# Altium PCB FMC_ADC_130M_16B_4CHv4.PcbDoc (part 1 of 8)
Units mm, origin at the board's own origin, x right, y up, seen from the top; angles counter-clockwise.
Board outline 76.78 x 69 mm, 8 copper layers (Top Layer, GND1, L3, GND2, L5, GND3, POWER, Bottom Layer), stack 1.329 mm thick; 397 components, 449 nets, 2112 pads, 1765 vias.
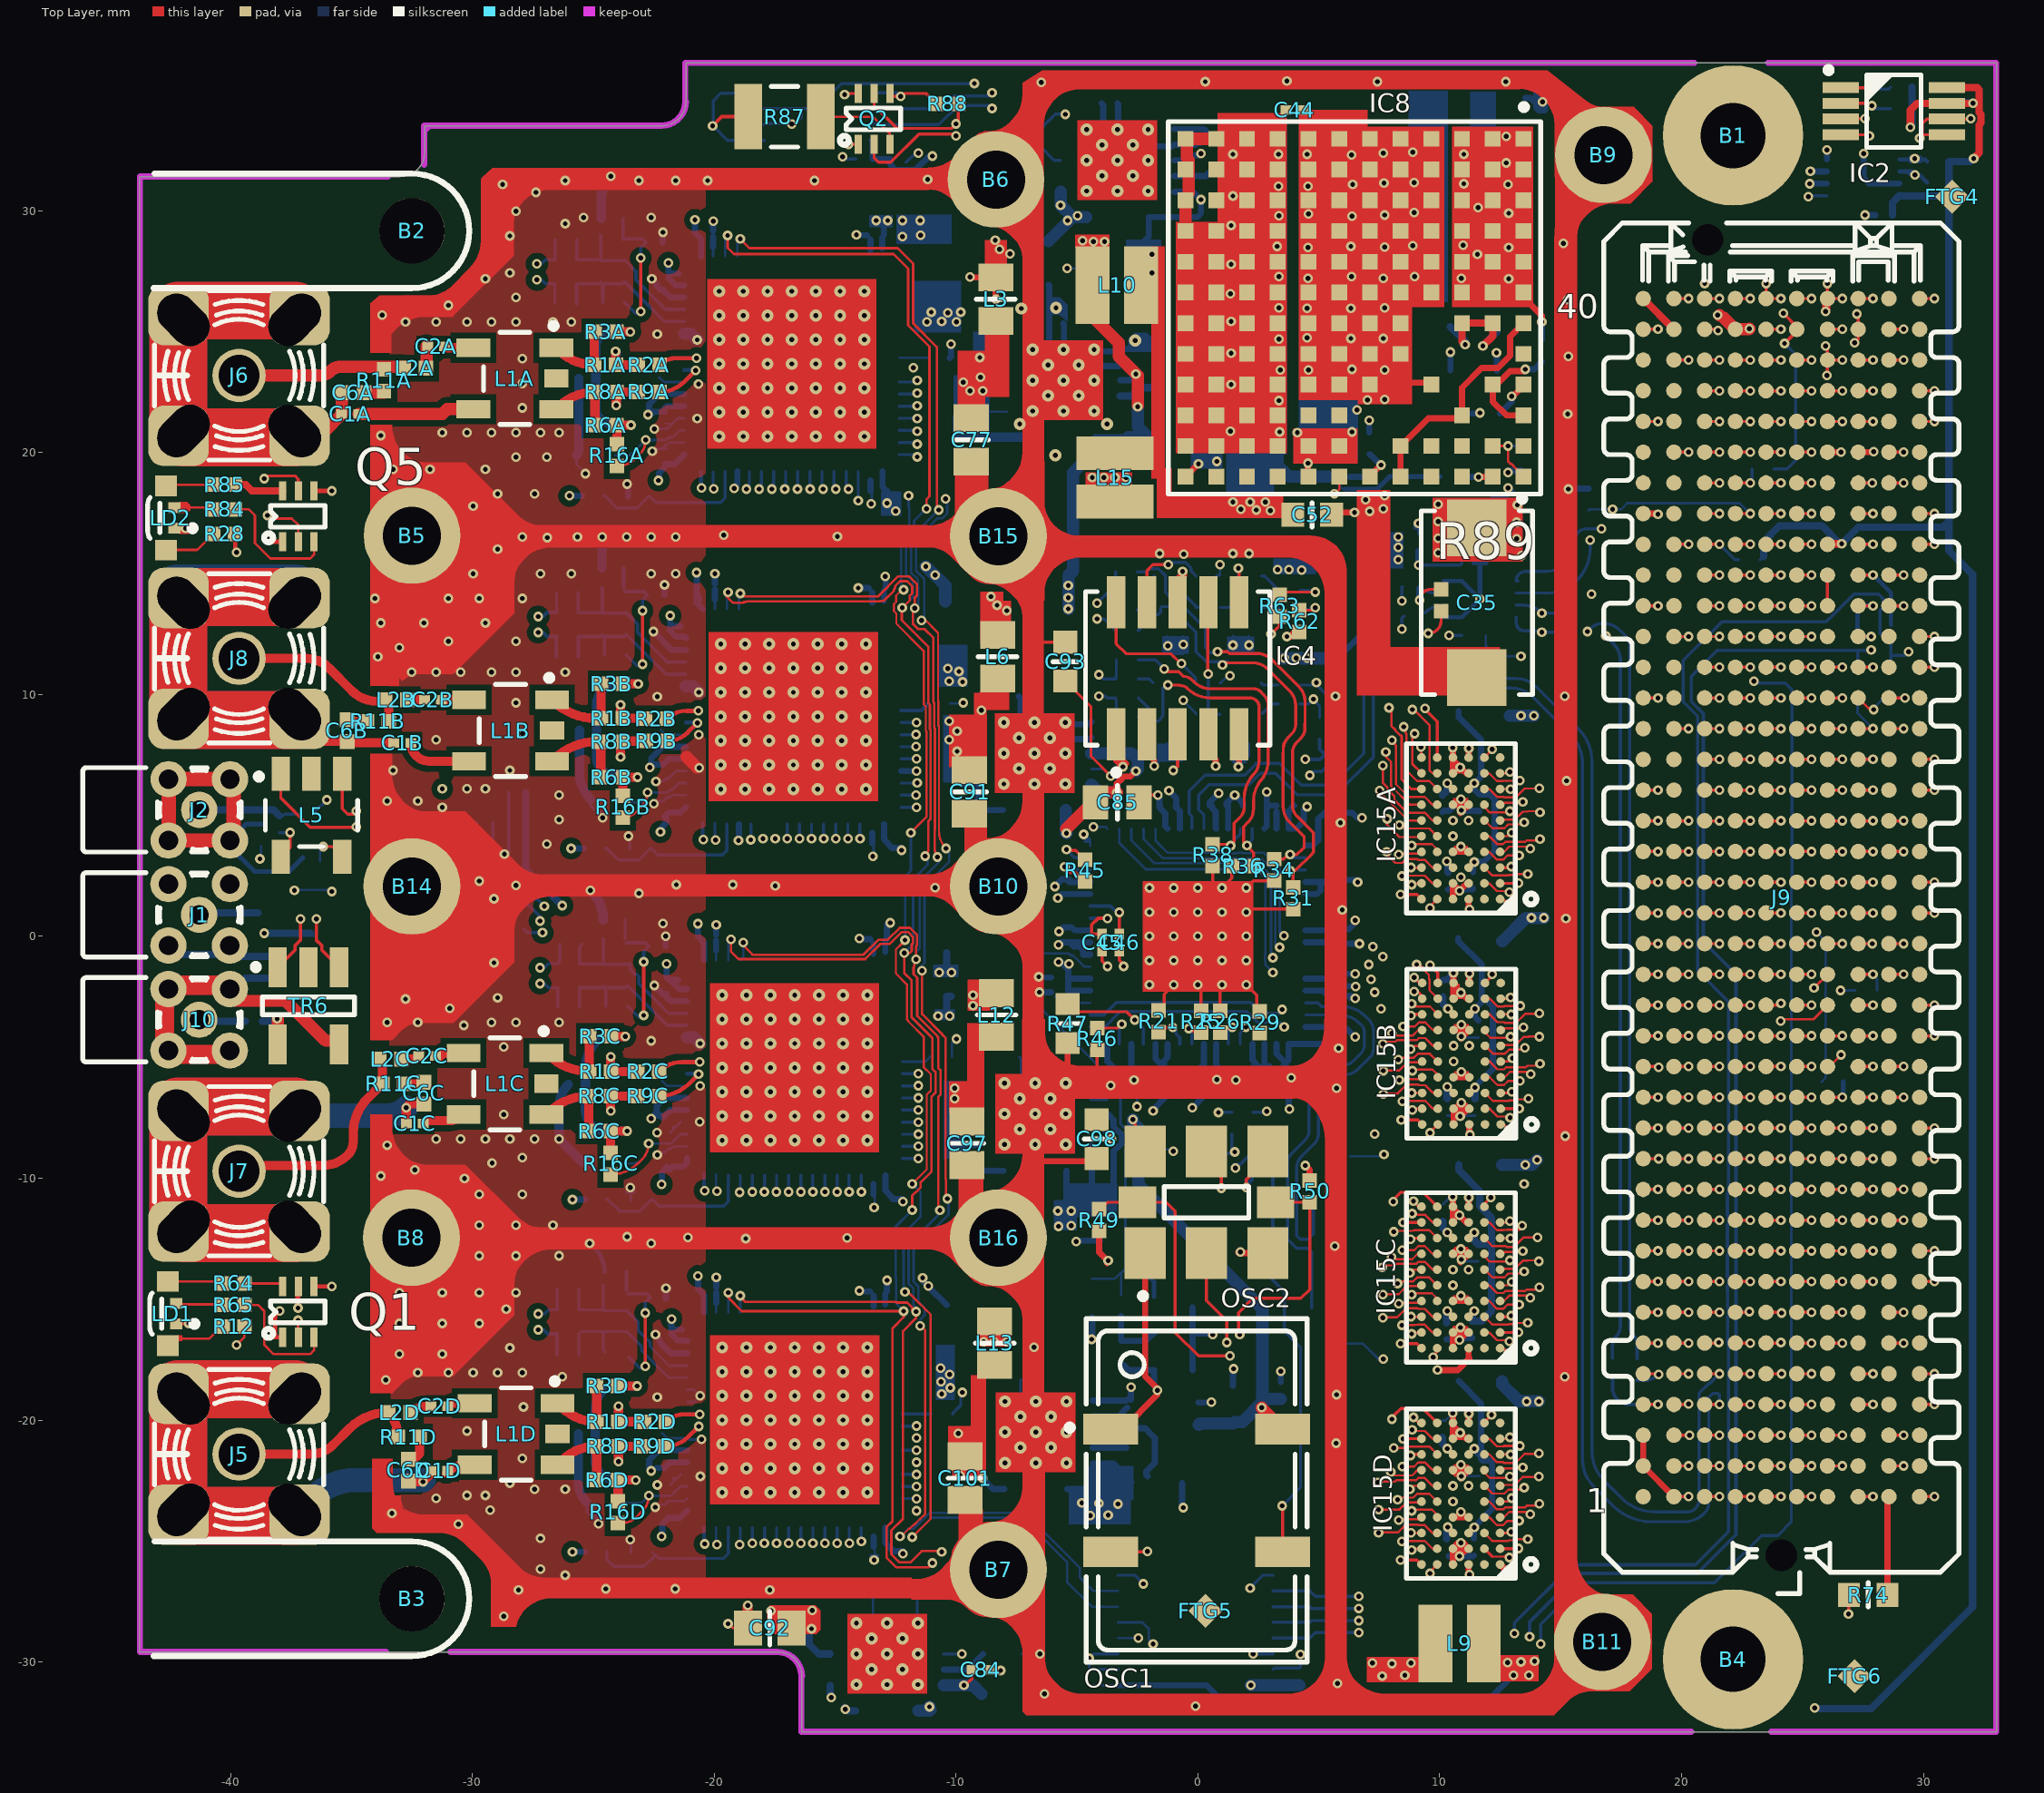
[diagram p0: Top Layer view]
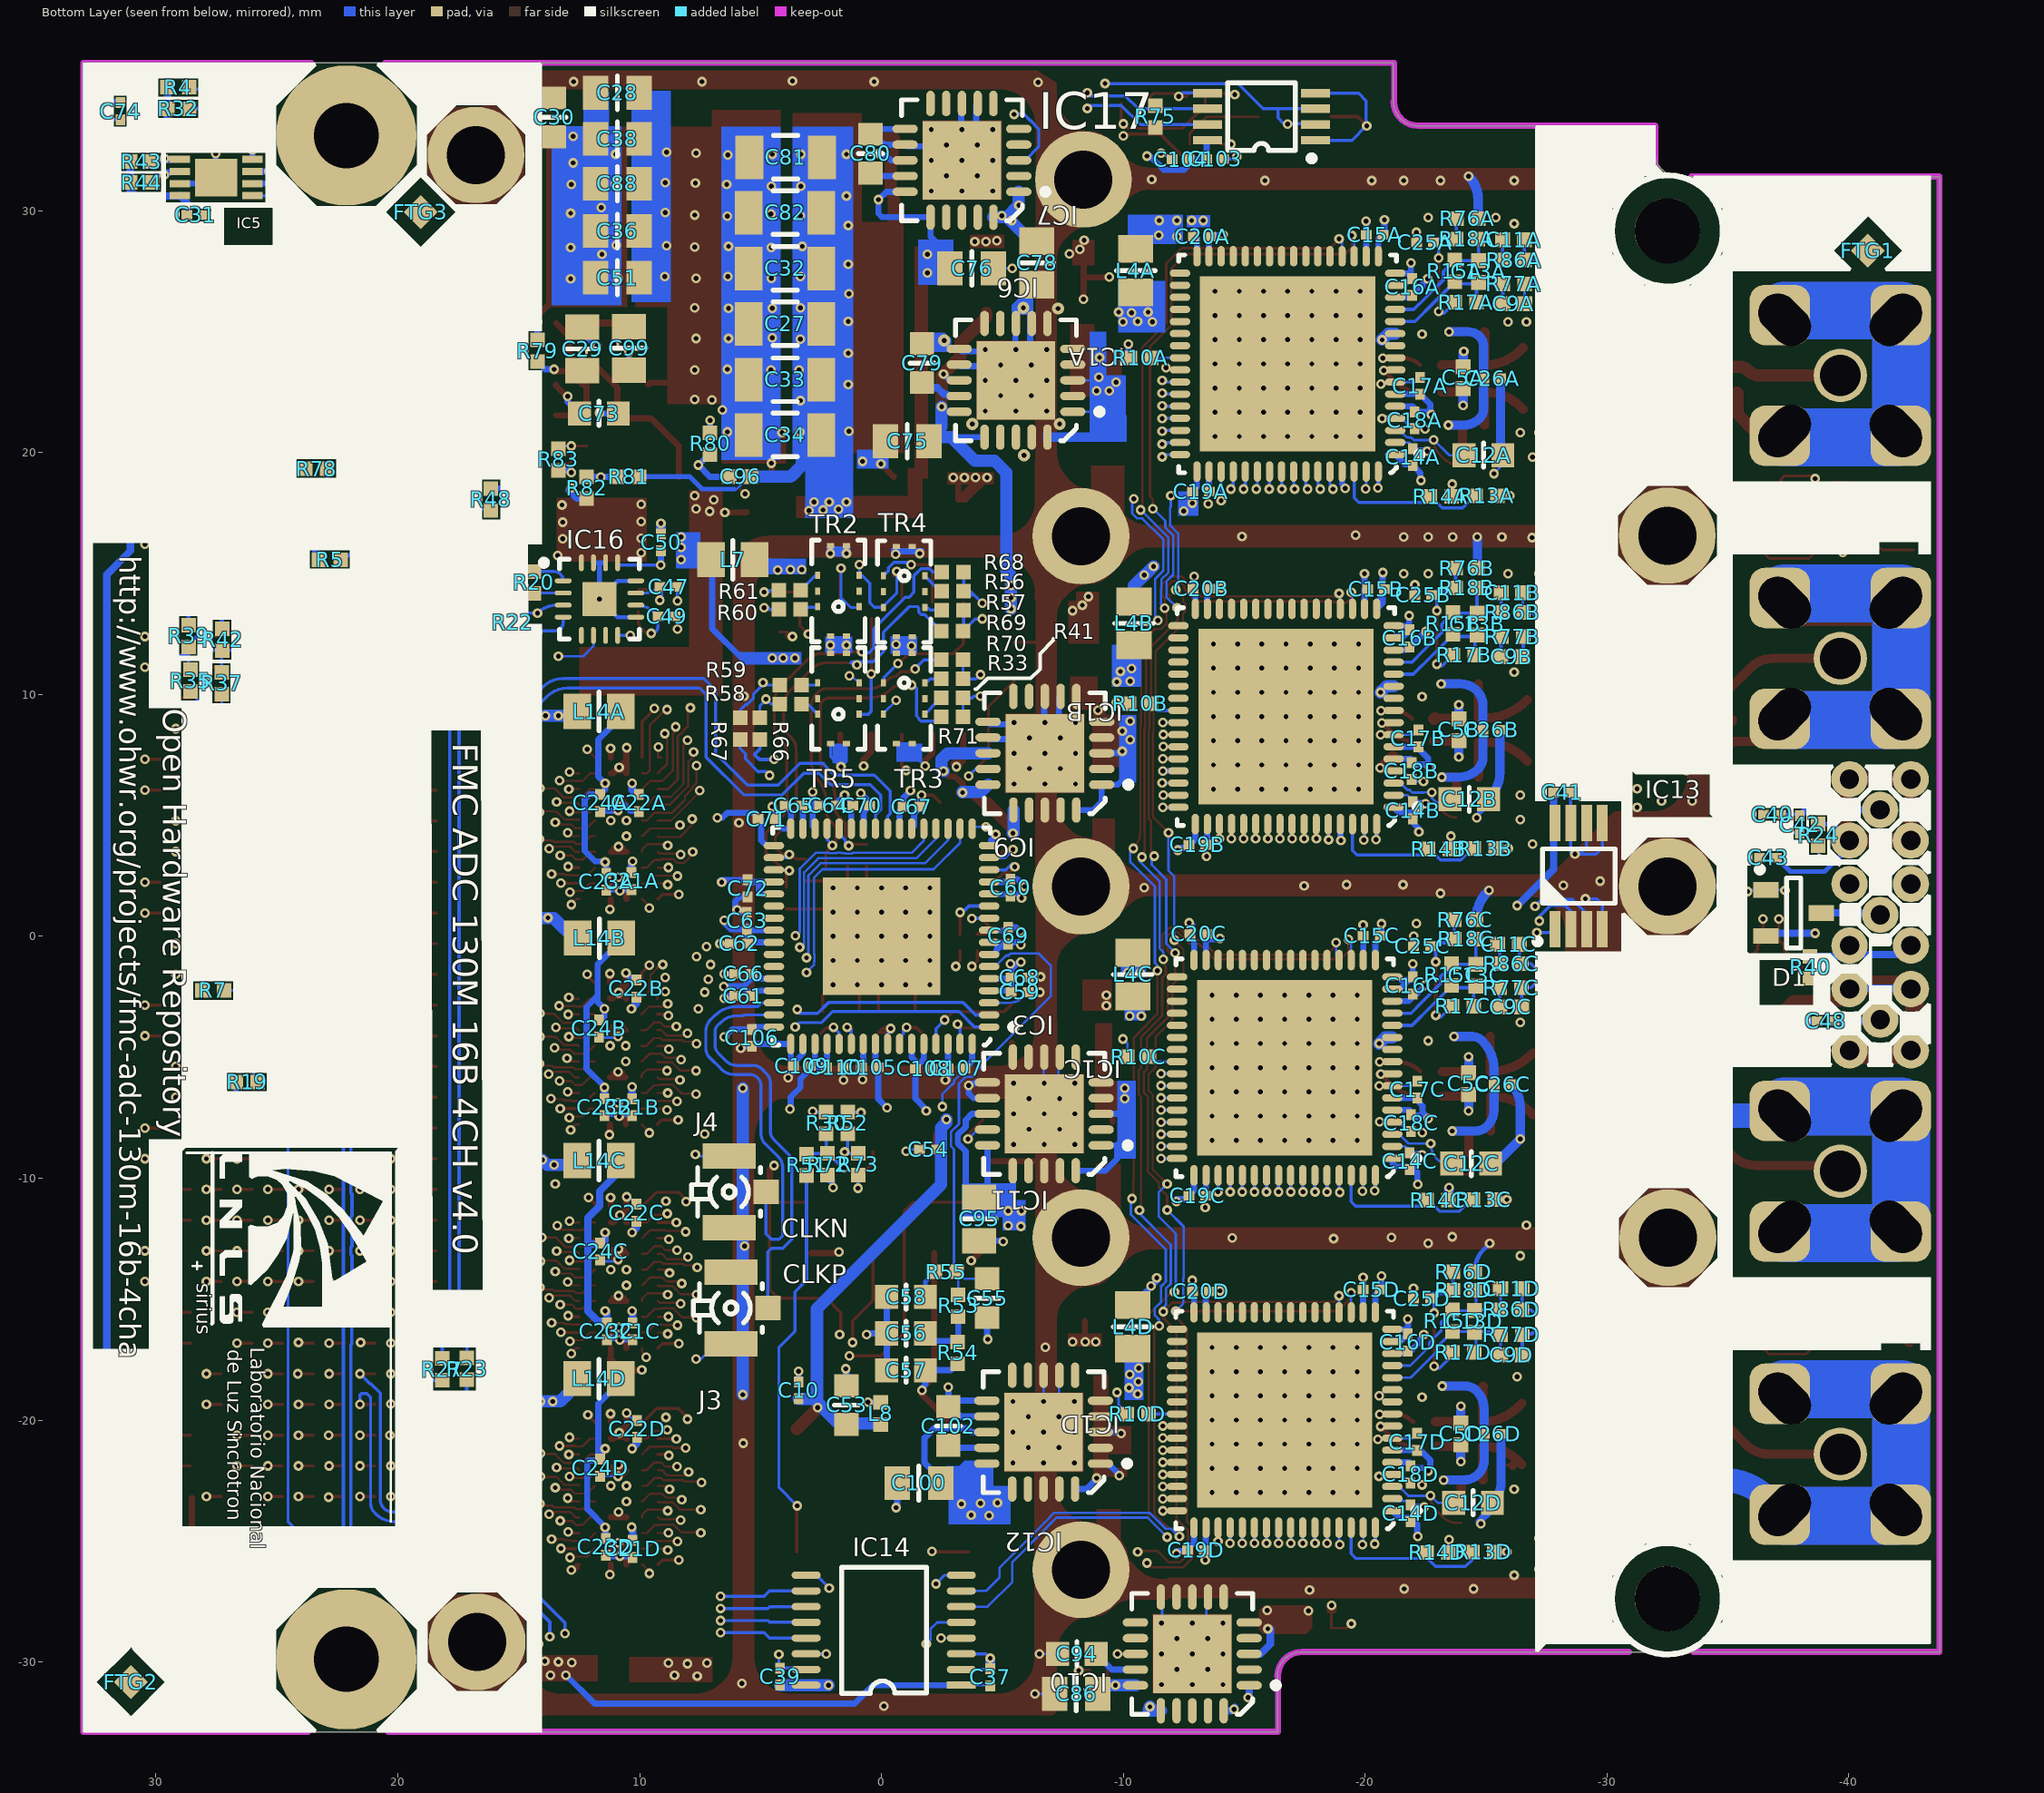
[diagram p1: Bottom Layer view, seen from below]
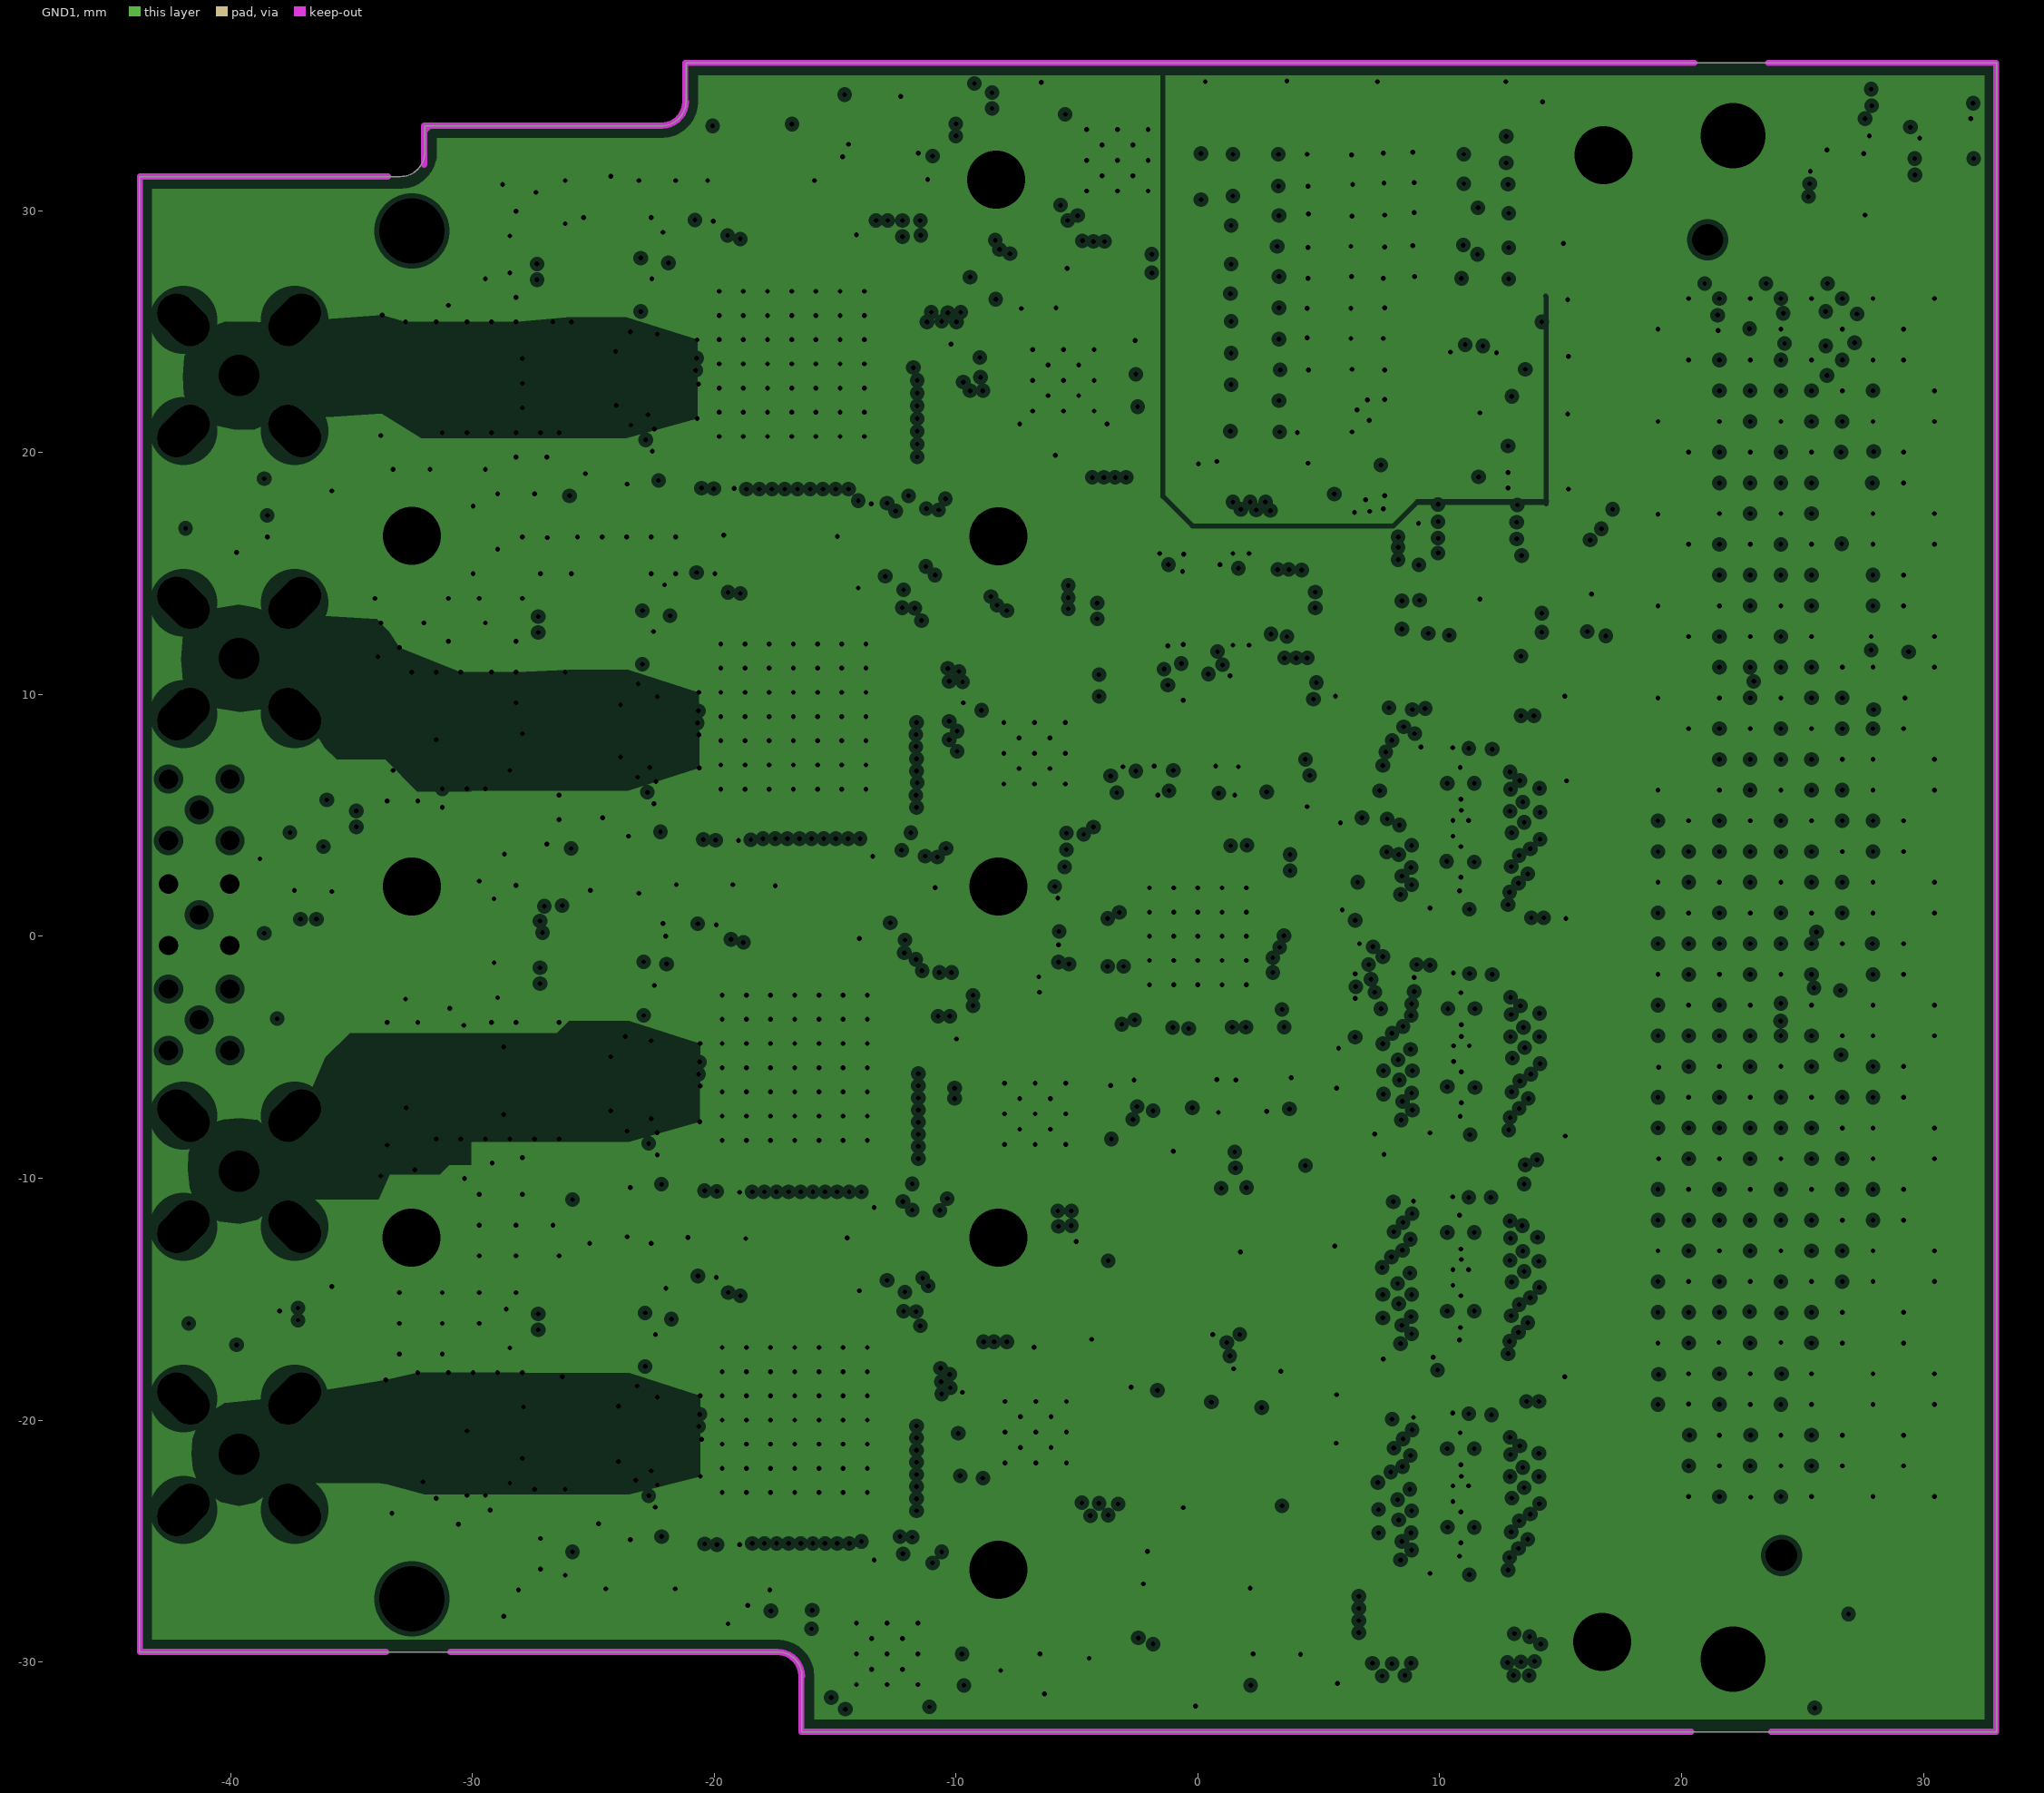
[diagram p2: GND1, clearances drawn from the general rule]
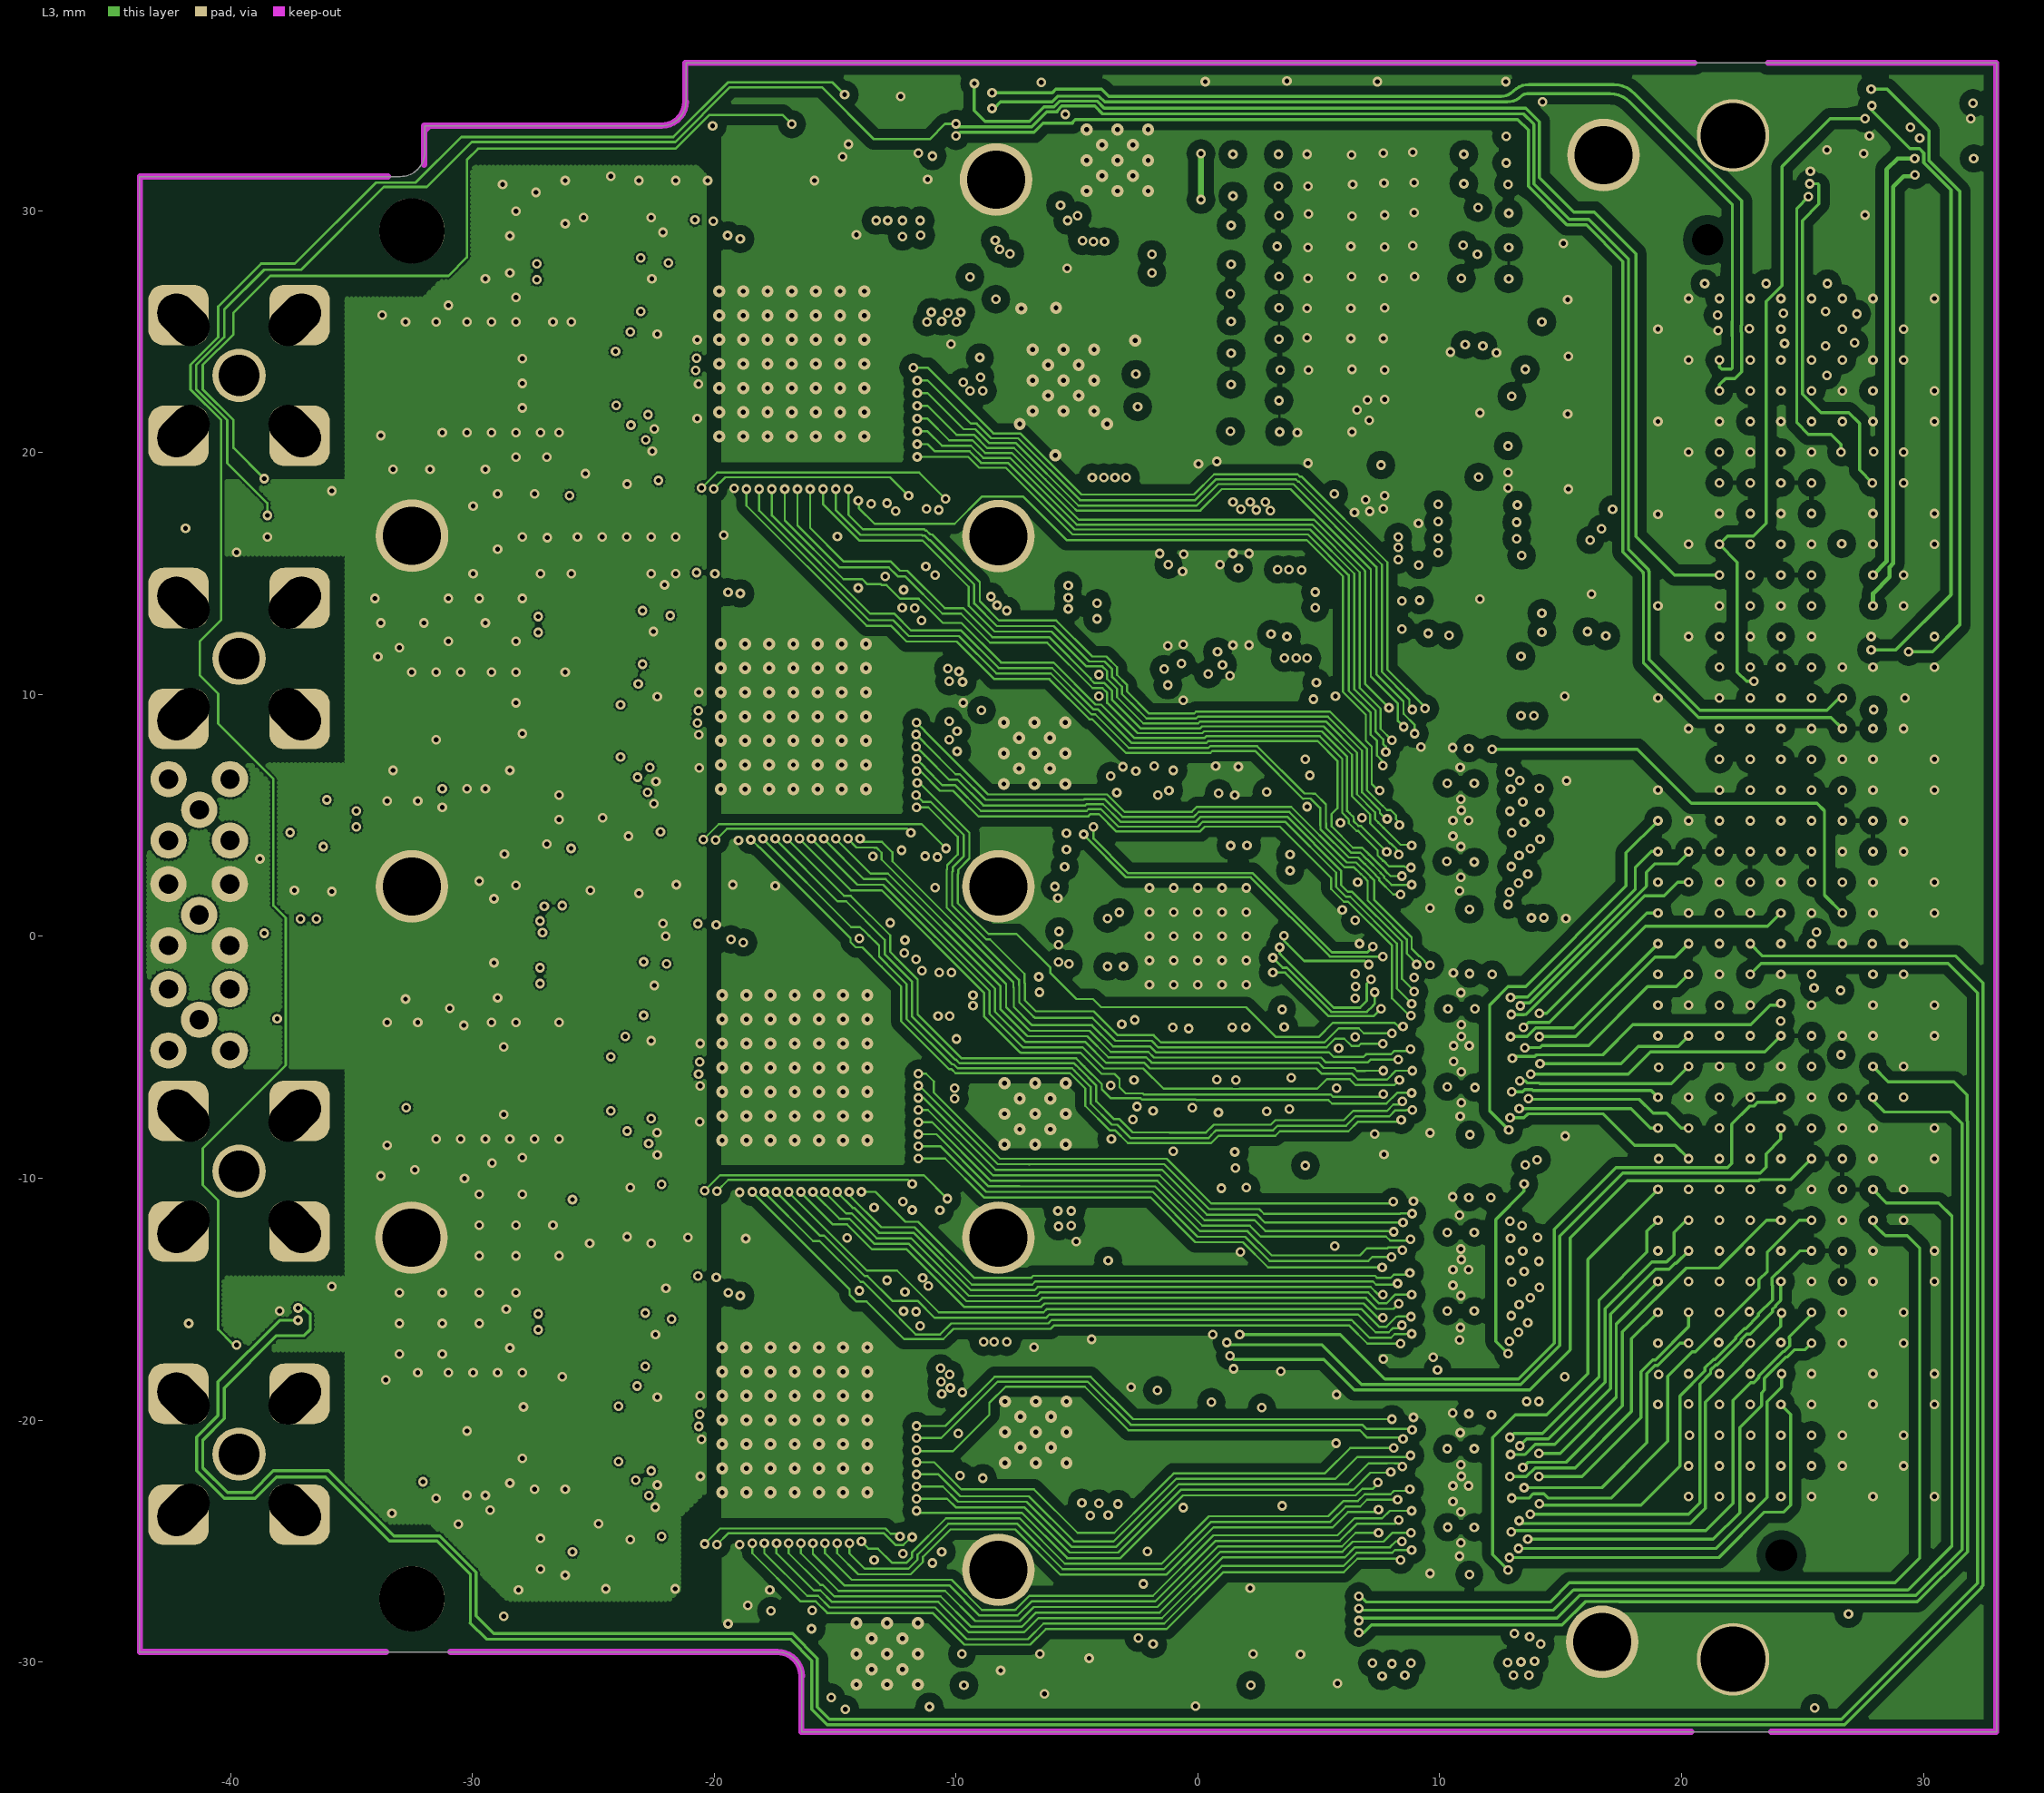
[diagram p3: L3]
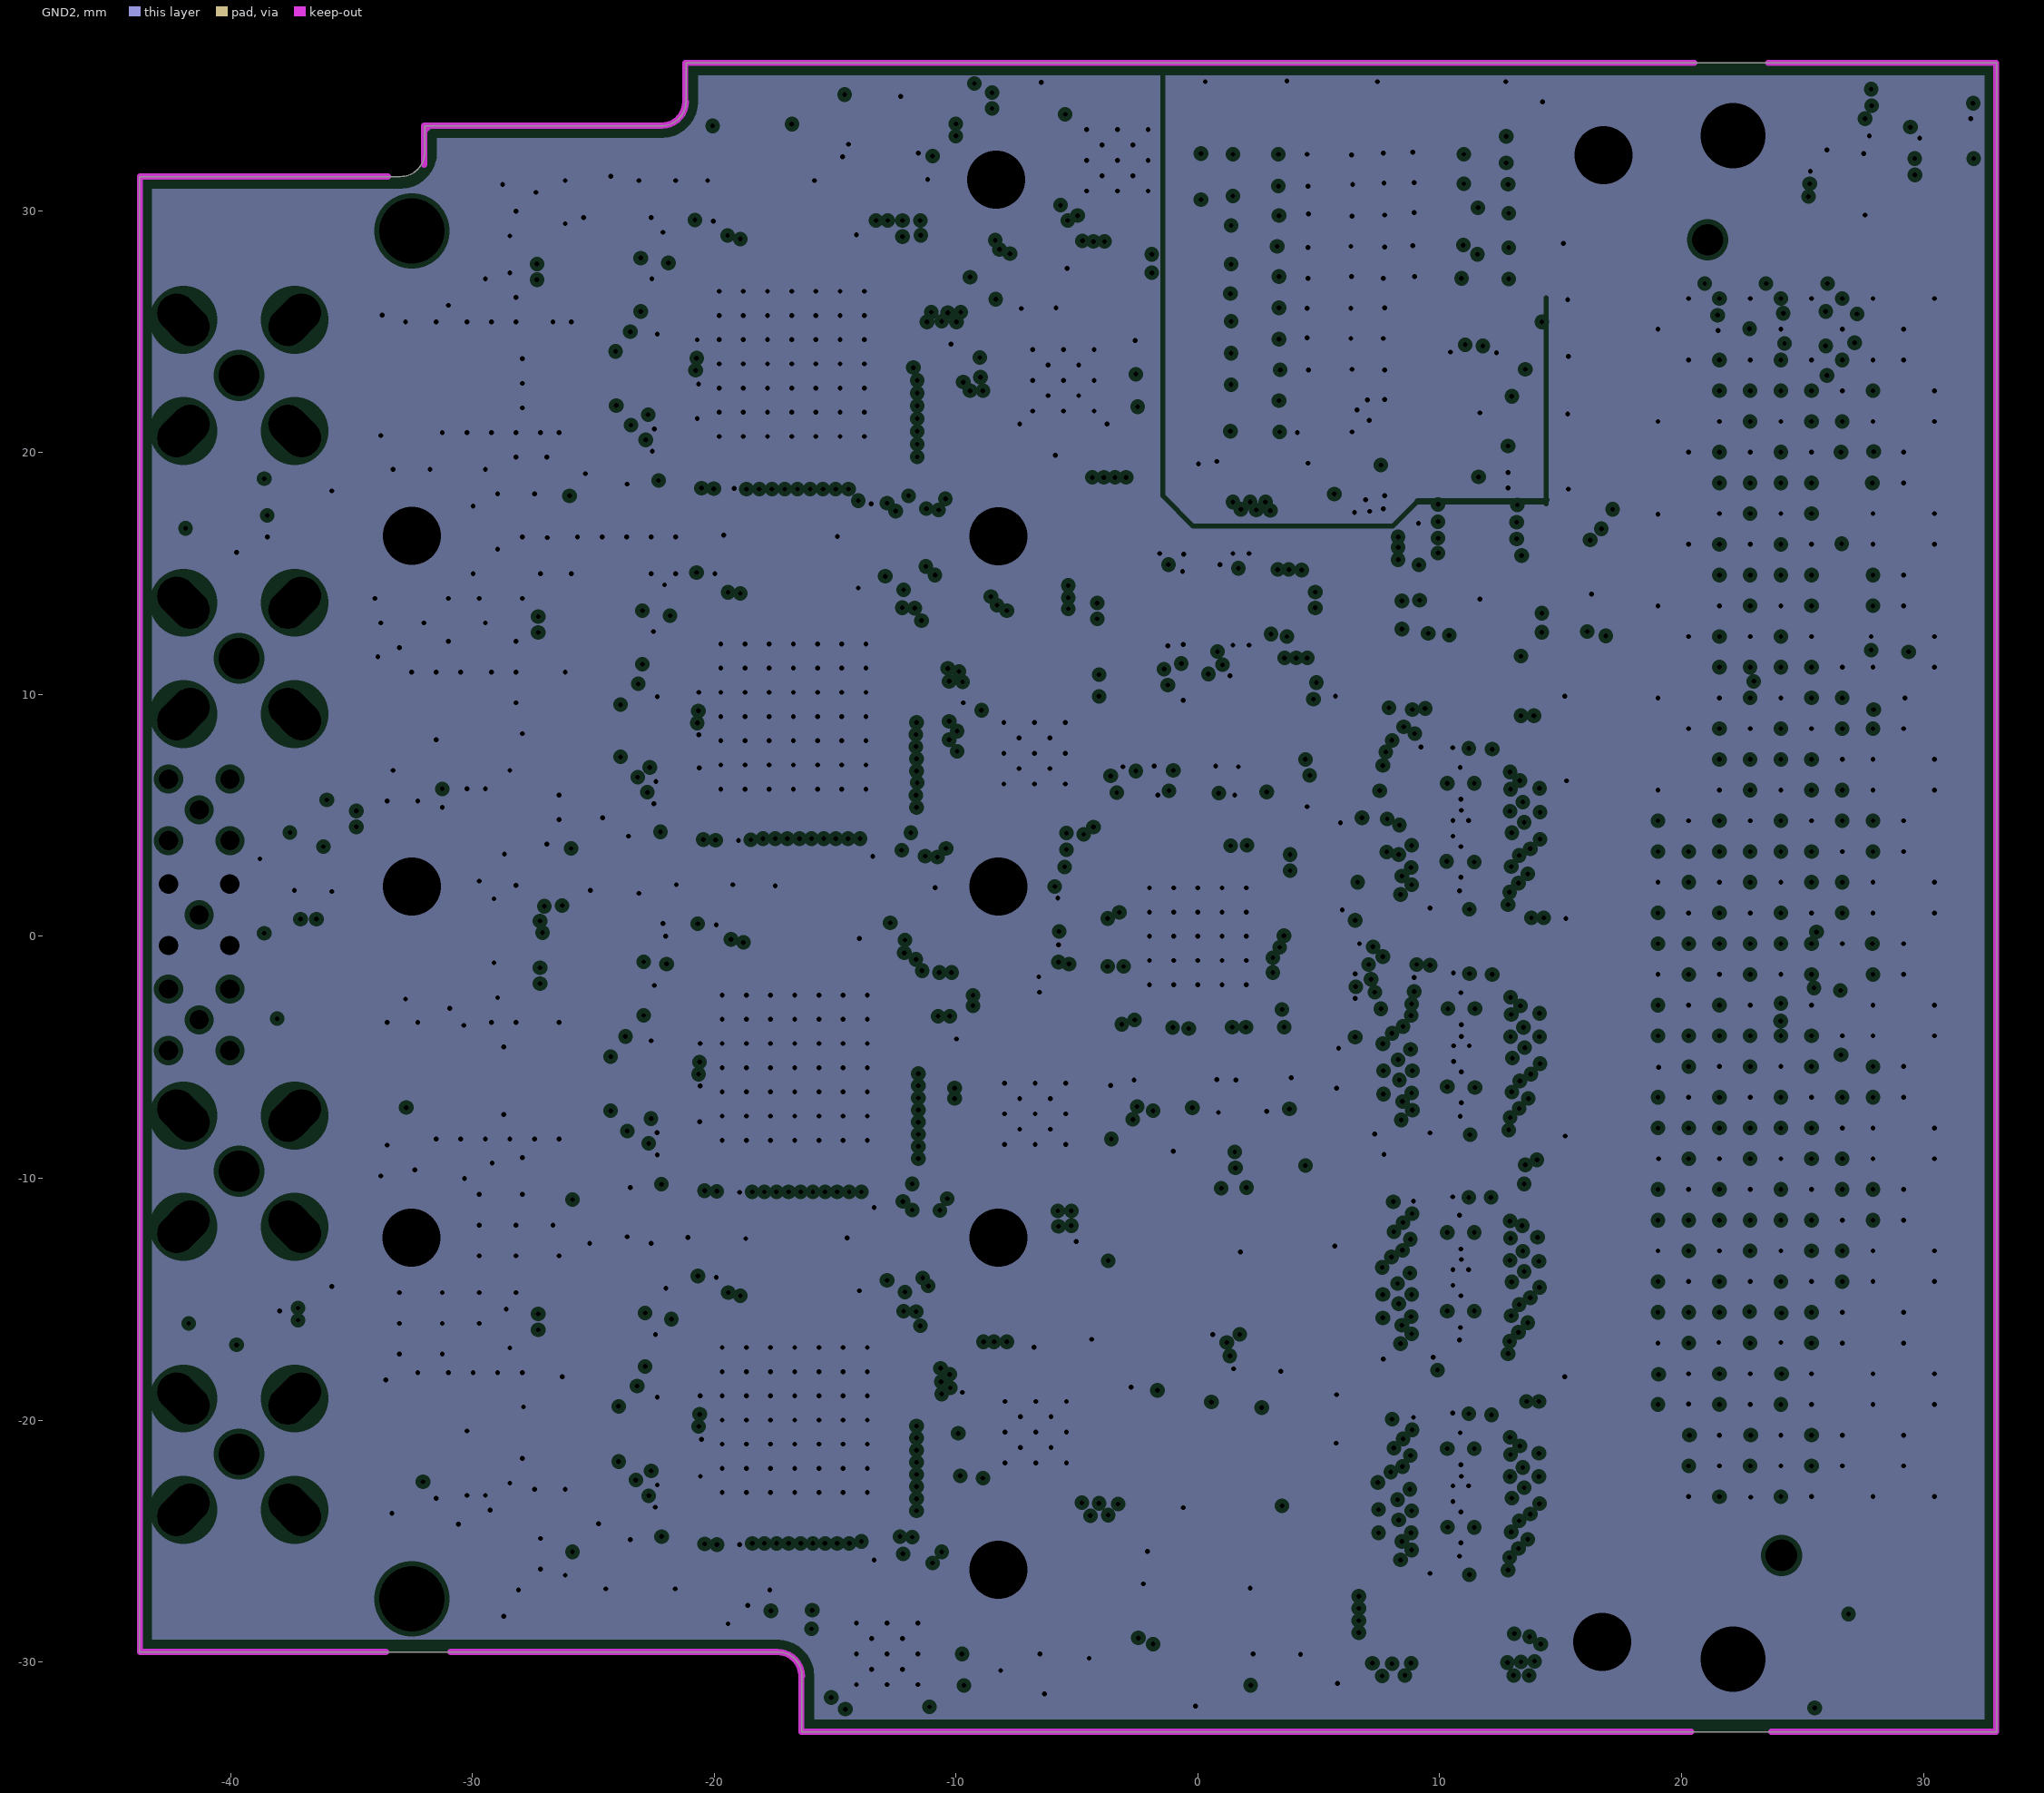
[diagram p4: GND2, clearances drawn from the general rule]